# KiCad board Mioke80.kicad_pcb (continued)
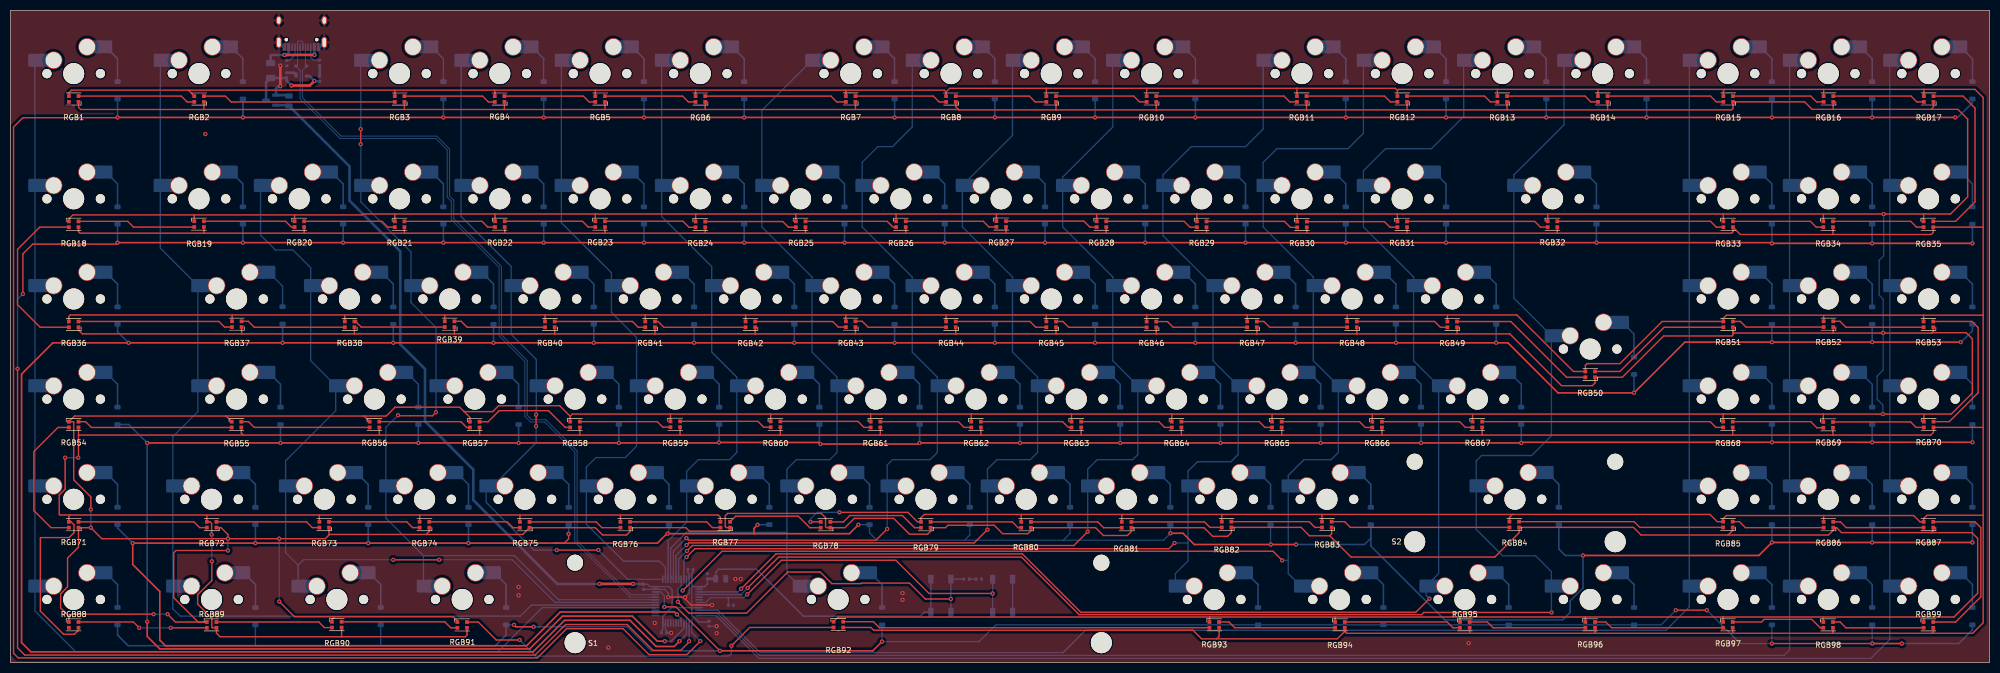
[diagram p0: board, top side]
## Footprints (pads in the part's own frame, mm; a bottom-side part is the same pattern mirrored in y, then rotated)
C_0402_1005Metric
  rrect 0.56x0.62 smd: 1(-0.48,0) 2(0.48,0)
C_0805_2012Metric
  rrect 1x1.45 smd: 1(-0.95,0) 2(0.95,0)
Diode_SOD-123
  rrect 0.9x1.2 smd: 1(-1.65,0) 2(1.65,0)
Fuse_1206_3216Metric
  rrect 1.25x1.75 smd: 1(-1.4,0) 2(1.4,0)
LED_WS2812B-2020_PLCC4_2.0x2.0mm
  rect 0.7x0.7 smd: 1(-0.915,0.55) 2(-0.915,-0.55) 3(0.915,-0.55) 4(0.915,0.55)
LQFP-48_7x7mm_P0.5mm
  rrect 1.475x0.3 smd: 1(-4.162,2.75) 2(-4.162,2.25) 3(-4.162,1.75) 4(-4.162,1.25) 5(-4.162,0.75) 6(-4.162,0.25) 7(-4.162,-0.25) 8(-4.162,-0.75) 9(-4.162,-1.25) 10(-4.162,-1.75) 11(-4.162,-2.25) 12(-4.162,-2.75) 25(4.162,-2.75) 26(4.162,-2.25) 27(4.162,-1.75) 28(4.162,-1.25) 29(4.162,-0.75) 30(4.162,-0.25) 31(4.162,0.25) 32(4.162,0.75) 33(4.162,1.25) 34(4.162,1.75) 35(4.162,2.25) 36(4.162,2.75)
  rrect 0.3x1.475 smd: 13(-2.75,-4.162) 14(-2.25,-4.162) 15(-1.75,-4.162) 16(-1.25,-4.162) 17(-0.75,-4.162) 18(-0.25,-4.162) 19(0.25,-4.162) 20(0.75,-4.162) 21(1.25,-4.162) 22(1.75,-4.162) 23(2.25,-4.162) 24(2.75,-4.162) 37(2.75,4.162) 38(2.25,4.162) 39(1.75,4.162) 40(1.25,4.162) 41(0.75,4.162) 42(0.25,4.162) 43(-0.25,4.162) 44(-0.75,4.162) 45(-1.25,4.162) 46(-1.75,4.162) 47(-2.25,4.162) 48(-2.75,4.162)
R_0402_1005Metric
  rrect 0.54x0.64 smd: 1(-0.51,0) 2(0.51,0)
SOT-23
  rrect 1.475x0.6 smd: 1(-0.938,0.95) 2(-0.938,-0.95) 3(0.938,0)
SOT-143
  rrect 0.7x1 smd: 1(-1,0.75)
  rrect 0.7x0.6 smd: 2(-1,-0.95) 3(1,-0.95) 4(1,0.95)
Stabilizer_MX_3.00u
  round 3.048 hole 3.048 unplated: (-19.05,6.985) (19.05,6.985)
  round 3.988 hole 3.988 unplated: (-19.05,-8.225) (19.05,-8.225)
Stabilizer_MX_6.25u
  round 3.048 hole 3.048 unplated: (-50,6.985) (50,6.985)
  round 3.988 hole 3.988 unplated: (-50,-8.225) (50,-8.225)
SW_MX_HS_1U
  round 1.75 hole 1.75 unplated: (-5.08,0) (5.08,0)
  round 3.988 hole 3.988 unplated: (0,0)
  round 3.3 hole 3: 1(3.81,2.54) 2(-2.54,5.08)
  rect 1.65x2.5 smd: 1(5.635,2.54) 2(-4.34,5.08)
  rrect 2.55x2.5 smd: 1(7.36,2.54) 2(-6.09,5.08)
SW_MX_HS_2.75U
  round 1.75 hole 1.75 unplated: (-5.08,0.015) (5.08,0.015)
  round 3.988 hole 3.988 unplated: (0,0.015)
  round 3.3 hole 3: 1(3.81,2.555) 2(-2.54,5.095)
  rect 1.65x2.5 smd: 1(5.635,2.555) 2(-4.34,5.095)
  rrect 2.55x2.5 smd: 1(7.36,2.555) 2(-6.09,5.095)
SW_MX_HS_CPG151101S11_1.25u
  round 1.75 hole 1.75 unplated: (-5.08,0) (5.08,0)
  round 3.988 hole 3.988 unplated: (0,0)
  round 3.3 hole 3: 1(3.81,2.54) 2(-2.54,5.08)
  rect 1.65x2.5 smd: 1(5.635,2.54) 2(-4.34,5.08)
  rrect 2.55x2.5 smd: 1(7.36,2.54) 2(-6.09,5.08)
SW_MX_HS_CPG151101S11_1.75u
  round 1.75 hole 1.75 unplated: (-5.08,0) (5.08,0)
  round 3.988 hole 3.988 unplated: (0,0)
  round 3.3 hole 3: 1(3.81,2.54) 2(-2.54,5.08)
  rect 1.65x2.5 smd: 1(5.635,2.54) 2(-4.34,5.08)
  rrect 2.55x2.5 smd: 1(7.36,2.54) 2(-6.09,5.08)
SW_MX_HS_CPG151101S11_1u
  round 1.75 hole 1.75 unplated: (-5.08,0) (5.08,0)
  round 3.988 hole 3.988 unplated: (0,0)
  round 3.3 hole 3: 1(3.81,2.54) 2(-2.54,5.08)
  rect 1.65x2.5 smd: 1(5.635,2.54) 2(-4.34,5.08)
  rrect 2.55x2.5 smd: 1(7.36,2.54) 2(-6.09,5.08)
SW_SPST_TL3342
  rect 1.7x1 smd: 1(-3.15,1.9) 1(3.15,1.9) 2(-3.15,-1.9) 2(3.15,-1.9)
USB_C_Receptacle_HRO_TYPE-C-31-M-12
  round 0.65 hole 0.65 unplated: (-2.89,2.6) (2.89,2.6)
  rect 0.6x1.45 smd: A1(-3.25,4.045) A4(-2.45,4.045) A9(2.45,4.045) A12(3.25,4.045) B1(3.25,4.045) B4(2.45,4.045) B9(-2.45,4.045) B12(-3.25,4.045)
  rect 0.3x1.45 smd: A5(-1.25,4.045) A6(-0.25,4.045) A7(0.25,4.045) A8(1.25,4.045) B5(1.75,4.045) B6(0.75,4.045) B7(-0.75,4.045) B8(-1.75,4.045)
  oval 1x1.6 hole 0.6x1.2: S1(-4.32,-1.05) S1(4.32,-1.05)
  oval 1x2.1 hole 0.6x1.7: S1(-4.32,3.13) S1(4.32,3.13)

## Nets
+3V3: BOOT1.1 C2.1 C3.1 C4.1 C5.1 C6.1 C7.1 C10.1 U1.1 U1.9 U1.24 U1.36 U1.48 U3.2
+5V: C8.1 C9.1 F1.2 U2.4 U3.3
GND: C1.2 C2.2 C3.2 C4.2 C5.2 C6.2 C7.2 C8.2 C9.2 C10.2 J1.A1 J1.A12 J1.B1 J1.B12 J1.S1 R1.1 R2.2 R4.2 RST1.2 U1.8 U1.23 U1.35 U1.47 U2.1 U3.1
VBUS: F1.1 J1.A4 J1.A9 J1.B4 J1.B9
BOOT0: BOOT1.2 R3.1 U1.44
COL0: MX1.1 MX18.1 MX36.1 MX54.1 MX71.1 MX88.1 U1.28
COL1: MX2.1 MX19.1 MX37.1 MX55.1 MX72.1 MX89.1 U1.29
COL2: MX20.1 MX38.1 MX56.1 MX73.1 MX90.1 U1.30
COL3: MX3.1 MX21.1 MX39.1 MX57.1 MX74.1 MX91.1 U1.31
COL4: MX4.1 MX22.1 MX40.1 MX58.1 MX75.1 U1.37
COL5: MX5.1 MX23.1 MX41.1 MX59.1 MX76.1 U1.38
COL6: MX6.1 MX24.1 MX42.1 MX60.1 MX77.1 U1.39
COL7: MX7.1 MX25.1 MX43.1 MX61.1 MX78.1 MX92.1 U1.40
COL8: MX8.1 MX26.1 MX44.1 MX62.1 MX79.1 U1.41
COL9: MX9.1 MX27.1 MX45.1 MX63.1 MX80.1 U1.42
COL10: MX10.1 MX28.1 MX46.1 MX64.1 MX81.1 U1.43
COL11: MX11.1 MX29.1 MX47.1 MX65.1 MX82.1 MX93.1 U1.45
COL12: MX12.1 MX30.1 MX48.1 MX66.1 MX83.1 MX94.1 U1.46
COL13: MX13.1 MX31.1 MX49.1 MX67.1 MX95.1 U1.3
COL14: MX14.1 MX32.1 MX50.1 MX84.1 MX96.1 U1.4
COL15: MX15.1 MX33.1 MX51.1 MX68.1 MX85.1 MX97.1 U1.10
COL16: MX16.1 MX34.1 MX52.1 MX69.1 MX86.1 MX98.1 U1.11
COL17: MX17.1 MX35.1 MX53.1 MX70.1 MX87.1 MX99.1 U1.12
D+: J1.A6 J1.B6 U1.33 U2.3
D-: J1.A7 J1.B7 U1.32 U2.2
DATA: RGB1.4
NRST: C1.1 RST1.1 U1.7
ROW0: D1.1 D2.1 D3.1 D4.1 D5.1 D6.1 D7.1 D8.1 D9.1 D10.1 D11.1 D12.1 D13.1 D14.1 D15.1 D16.1 D17.1 U1.13
ROW1: D18.1 D19.1 D20.1 D21.1 D22.1 D23.1 D24.1 D25.1 D26.1 D27.1 D28.1 D29.1 D30.1 D31.1 D32.1 D33.1 D34.1 D35.1 U1.14
ROW2: D36.1 D37.1 D38.1 D39.1 D40.1 D41.1 D42.1 D43.1 D44.1 D45.1 D46.1 D47.1 D48.1 D49.1 D50.1 D51.1 D52.1 D53.1 U1.15
ROW3: D54.1 D55.1 D56.1 D57.1 D58.1 D59.1 D60.1 D61.1 D62.1 D63.1 D64.1 D65.1 D66.1 D67.1 D68.1 D69.1 D70.1 U1.16
ROW4: D71.1 D72.1 D73.1 D74.1 D75.1 D76.1 D77.1 D78.1 D79.1 D80.1 D81.1 D82.1 D83.1 D84.1 D85.1 D86.1 D87.1 U1.17
ROW5: D88.1 D89.1 D90.1 D91.1 D92.1 D93.1 D94.1 D95.1 D96.1 D97.1 D98.1 D99.1 U1.34
Net-(D1-A): D1.2 MX1.2
Net-(D2-A): D2.2 MX2.2
Net-(D3-A): D3.2 MX3.2
Net-(D4-A): D4.2 MX4.2
Net-(D5-A): D5.2 MX5.2
Net-(D6-A): D6.2 MX6.2
Net-(D7-A): D7.2 MX7.2
Net-(D8-A): D8.2 MX8.2
Net-(D9-A): D9.2 MX9.2
Net-(D10-A): D10.2 MX10.2
Net-(D11-A): D11.2 MX11.2
Net-(D12-A): D12.2 MX12.2
Net-(D13-A): D13.2 MX13.2
Net-(D14-A): D14.2 MX14.2
Net-(D15-A): D15.2 MX15.2
Net-(D16-A): D16.2 MX16.2
Net-(D17-A): D17.2 MX17.2
Net-(D18-A): D18.2 MX18.2
Net-(D19-A): D19.2 MX19.2
Net-(D20-A): D20.2 MX20.2
Net-(D21-A): D21.2 MX21.2
Net-(D22-A): D22.2 MX22.2
Net-(D23-A): D23.2 MX23.2
Net-(D24-A): D24.2 MX24.2
Net-(D25-A): D25.2 MX25.2
Net-(D26-A): D26.2 MX26.2
Net-(D27-A): D27.2 MX27.2
Net-(D28-A): D28.2 MX28.2
Net-(D29-A): D29.2 MX29.2
Net-(D30-A): D30.2 MX30.2
Net-(D31-A): D31.2 MX31.2
Net-(D32-A): D32.2 MX32.2
Net-(D33-A): D33.2 MX33.2
Net-(D34-A): D34.2 MX34.2
Net-(D35-A): D35.2 MX35.2
Net-(D36-A): D36.2 MX36.2
Net-(D37-A): D37.2 MX37.2
Net-(D38-A): D38.2 MX38.2
Net-(D39-A): D39.2 MX39.2
Net-(D40-A): D40.2 MX40.2
Net-(D41-A): D41.2 MX41.2
Net-(D42-A): D42.2 MX42.2
Net-(D43-A): D43.2 MX43.2
Net-(D44-A): D44.2 MX44.2
Net-(D45-A): D45.2 MX45.2
Net-(D46-A): D46.2 MX46.2
Net-(D47-A): D47.2 MX47.2
Net-(D48-A): D48.2 MX48.2
Net-(D49-A): D49.2 MX49.2
Net-(D50-A): D50.2 MX50.2
Net-(D51-A): D51.2 MX51.2
Net-(D52-A): D52.2 MX52.2
Net-(D53-A): D53.2 MX53.2
Net-(D54-A): D54.2 MX54.2
Net-(D55-A): D55.2 MX55.2
Net-(D56-A): D56.2 MX56.2
Net-(D57-A): D57.2 MX57.2
Net-(D58-A): D58.2 MX58.2
Net-(D59-A): D59.2 MX59.2
Net-(D60-A): D60.2 MX60.2
Net-(D61-A): D61.2 MX61.2
Net-(D62-A): D62.2 MX62.2
Net-(D63-A): D63.2 MX63.2
Net-(D64-A): D64.2 MX64.2
Net-(D65-A): D65.2 MX65.2
Net-(D66-A): D66.2 MX66.2
Net-(D67-A): D67.2 MX67.2
Net-(D68-A): D68.2 MX68.2
Net-(D69-A): D69.2 MX69.2
Net-(D70-A): D70.2 MX70.2
Net-(D71-A): D71.2 MX71.2
Net-(D72-A): D72.2 MX72.2
Net-(D73-A): D73.2 MX73.2
Net-(D74-A): D74.2 MX74.2
Net-(D75-A): D75.2 MX75.2
Net-(D76-A): D76.2 MX76.2
Net-(D77-A): D77.2 MX77.2
Net-(D78-A): D78.2 MX78.2
Net-(D79-A): D79.2 MX79.2
Net-(D80-A): D80.2 MX80.2
Net-(D81-A): D81.2 MX81.2
Net-(D82-A): D82.2 MX82.2
Net-(D83-A): D83.2 MX83.2
Net-(D84-A): D84.2 MX84.2
Net-(D85-A): D85.2 MX85.2
Net-(D86-A): D86.2 MX86.2
Net-(D87-A): D87.2 MX87.2
Net-(D88-A): D88.2 MX88.2
Net-(D89-A): D89.2 MX89.2
Net-(D90-A): D90.2 MX90.2
Net-(D91-A): D91.2 MX91.2
Net-(D92-A): D92.2 MX92.2
Net-(D93-A): D93.2 MX93.2
Net-(D94-A): D94.2 MX94.2
Net-(D95-A): D95.2 MX95.2
Net-(D96-A): D96.2 MX96.2
Net-(D97-A): D97.2 MX97.2
Net-(D98-A): D98.2 MX98.2
Net-(D99-A): D99.2 MX99.2
Net-(J1-CC1): J1.A5 R1.2
Net-(J1-CC2): J1.B5 R2.1
Net-(R3-Pad2): R3.2 R4.1
Net-(RGB1-DOUT): RGB1.2 RGB2.4
Net-(RGB1-VDD): RGB1.1 RGB2.1 RGB3.1 RGB4.1 RGB5.1 RGB6.1 RGB7.1 RGB8.1 RGB9.1 RGB10.1 RGB11.1 RGB12.1 RGB13.1 RGB14.1 RGB15.1 RGB16.1 RGB17.1 RGB18.1 RGB19.1 RGB20.1 RGB21.1 RGB22.1 RGB23.1 RGB24.1 RGB25.1 RGB26.1 RGB27.1 RGB28.1 RGB29.1 RGB30.1 RGB31.1 RGB32.1 RGB33.1 RGB34.1 RGB35.1 RGB36.1 RGB37.1 RGB38.1 RGB39.1 RGB40.1 RGB41.1 RGB42.1 RGB43.1 RGB44.1 RGB45.1 RGB46.1 RGB47.1 RGB48.1 RGB49.1 RGB50.1 RGB51.1 RGB52.1 RGB53.1 RGB54.1 RGB55.1 RGB56.1 RGB57.1 RGB58.1 RGB59.1 RGB60.1 RGB61.1 RGB62.1 RGB63.1 RGB64.1 RGB65.1 RGB66.1 RGB67.1 RGB68.1 RGB69.1 RGB70.1 RGB71.1 RGB72.1 RGB73.1 RGB74.1 RGB75.1 RGB76.1 RGB77.1 RGB78.1 RGB79.1 RGB80.1 RGB81.1 RGB82.1 RGB83.1 RGB84.1 RGB85.1 RGB86.1 RGB87.1 RGB88.1 RGB89.1 RGB90.1 RGB91.1 RGB92.1 RGB93.1 RGB94.1 RGB95.1 RGB96.1 RGB97.1 RGB98.1 RGB99.1
Net-(RGB1-VSS): RGB1.3 RGB2.3 RGB3.3 RGB4.3 RGB5.3 RGB6.3 RGB7.3 RGB8.3 RGB9.3 RGB10.3 RGB11.3 RGB12.3 RGB13.3 RGB14.3 RGB15.3 RGB16.3 RGB17.3 RGB18.3 RGB19.3 RGB20.3 RGB21.3 RGB22.3 RGB23.3 RGB24.3 RGB25.3 RGB26.3 RGB27.3 RGB28.3 RGB29.3 RGB30.3 RGB31.3 RGB32.3 RGB33.3 RGB34.3 RGB35.3 RGB36.3 RGB37.3 RGB38.3 RGB39.3 RGB40.3 RGB41.3 RGB42.3 RGB43.3 RGB44.3 RGB45.3 RGB46.3 RGB47.3 RGB48.3 RGB49.3 RGB50.3 RGB51.3 RGB52.3 RGB53.3 RGB54.3 RGB55.3 RGB56.3 RGB57.3 RGB58.3 RGB59.3 RGB60.3 RGB61.3 RGB62.3 RGB63.3 RGB64.3 RGB65.3 RGB66.3 RGB67.3 RGB68.3 RGB69.3 RGB70.3 RGB71.3 RGB72.3 RGB73.3 RGB74.3 RGB75.3 RGB76.3 RGB77.3 RGB78.3 RGB79.3 RGB80.3 RGB81.3 RGB82.3 RGB83.3 RGB84.3 RGB85.3 RGB86.3 RGB87.3 RGB88.3 RGB89.3 RGB90.3 RGB91.3 RGB92.3 RGB93.3 RGB94.3 RGB95.3 RGB96.3 RGB97.3 RGB98.3 RGB99.3
Net-(RGB2-DOUT): RGB2.2 RGB3.4
Net-(RGB3-DOUT): RGB3.2 RGB4.4
Net-(RGB4-DOUT): RGB4.2 RGB5.4
Net-(RGB5-DOUT): RGB5.2 RGB6.4
Net-(RGB6-DOUT): RGB6.2 RGB7.4
Net-(RGB7-DOUT): RGB7.2 RGB8.4
Net-(RGB8-DOUT): RGB8.2 RGB9.4
Net-(RGB10-DIN): RGB9.2 RGB10.4
Net-(RGB10-DOUT): RGB10.2 RGB11.4
Net-(RGB11-DOUT): RGB11.2 RGB12.4
Net-(RGB12-DOUT): RGB12.2 RGB13.4
Net-(RGB13-DOUT): RGB13.2 RGB14.4
Net-(RGB14-DOUT): RGB14.2 RGB15.4
Net-(RGB15-DOUT): RGB15.2 RGB16.4
Net-(RGB16-DOUT): RGB16.2 RGB17.4
Net-(RGB17-DOUT): RGB17.2 RGB35.4
Net-(RGB18-DIN): RGB18.4 RGB19.2
Net-(RGB18-DOUT): RGB18.2 RGB36.4
Net-(RGB19-DIN): RGB19.4 RGB20.2
Net-(RGB20-DIN): RGB20.4 RGB21.2
Net-(RGB21-DIN): RGB21.4 RGB22.2
Net-(RGB22-DIN): RGB22.4 RGB23.2
Net-(RGB23-DIN): RGB23.4 RGB24.2
Net-(RGB24-DIN): RGB24.4 RGB25.2
Net-(RGB25-DIN): RGB25.4 RGB26.2
Net-(RGB26-DIN): RGB26.4 RGB27.2
Net-(RGB27-DIN): RGB27.4 RGB28.2
Net-(RGB28-DIN): RGB28.4 RGB29.2
Net-(RGB29-DIN): RGB29.4 RGB30.2
Net-(RGB30-DIN): RGB30.4 RGB31.2
Net-(RGB31-DIN): RGB31.4 RGB32.2
Net-(RGB32-DIN): RGB32.4 RGB33.2
Net-(RGB33-DIN): RGB33.4 RGB34.2
Net-(RGB34-DIN): RGB34.4 RGB35.2
Net-(RGB36-DOUT): RGB36.2 RGB37.4
Net-(RGB37-DOUT): RGB37.2 RGB38.4
Net-(RGB38-DOUT): RGB38.2 RGB39.4
Net-(RGB39-DOUT): RGB39.2 RGB40.4
Net-(RGB40-DOUT): RGB40.2 RGB41.4
Net-(RGB41-DOUT): RGB41.2 RGB42.4
Net-(RGB42-DOUT): RGB42.2 RGB43.4
Net-(RGB43-DOUT): RGB43.2 RGB44.4
Net-(RGB44-DOUT): RGB44.2 RGB45.4
Net-(RGB45-DOUT): RGB45.2 RGB46.4
Net-(RGB46-DOUT): RGB46.2 RGB47.4
Net-(RGB47-DOUT): RGB47.2 RGB48.4
Net-(RGB48-DOUT): RGB48.2 RGB49.4
Net-(RGB49-DOUT): RGB49.2 RGB50.4
Net-(RGB50-DOUT): RGB50.2 RGB51.4
Net-(RGB51-DOUT): RGB51.2 RGB52.4
Net-(RGB52-DOUT): RGB52.2 RGB53.4
Net-(RGB53-DOUT): RGB53.2 RGB70.4
Net-(RGB54-DIN): RGB54.4 RGB55.2
Net-(RGB54-DOUT): RGB54.2 RGB71.4
Net-(RGB55-DIN): RGB55.4 RGB56.2
Net-(RGB56-DIN): RGB56.4 RGB57.2
Net-(RGB57-DIN): RGB57.4 RGB58.2
Net-(RGB58-DIN): RGB58.4 RGB59.2
Net-(RGB59-DIN): RGB59.4 RGB60.2
Net-(RGB60-DIN): RGB60.4 RGB61.2
Net-(RGB61-DIN): RGB61.4 RGB62.2
Net-(RGB62-DIN): RGB62.4 RGB63.2
Net-(RGB63-DIN): RGB63.4 RGB64.2
Net-(RGB64-DIN): RGB64.4 RGB65.2
Net-(RGB65-DIN): RGB65.4 RGB66.2
Net-(RGB66-DIN): RGB66.4 RGB67.2
Net-(RGB67-DIN): RGB67.4 RGB68.2
Net-(RGB68-DIN): RGB68.4 RGB69.2
Net-(RGB69-DIN): RGB69.4 RGB70.2
Net-(RGB71-DOUT): RGB71.2 RGB72.4
Net-(RGB72-DOUT): RGB72.2 RGB73.4
Net-(RGB73-DOUT): RGB73.2 RGB74.4
Net-(RGB74-DOUT): RGB74.2 RGB75.4
Net-(RGB75-DOUT): RGB75.2 RGB76.4
Net-(RGB76-DOUT): RGB76.2 RGB77.4
Net-(RGB77-DOUT): RGB77.2 RGB78.4
Net-(RGB78-DOUT): RGB78.2 RGB79.4
Net-(RGB79-DOUT): RGB79.2 RGB80.4
Net-(RGB80-DOUT): RGB80.2 RGB81.4
Net-(RGB81-DOUT): RGB81.2 RGB82.4
Net-(RGB82-DOUT): RGB82.2 RGB83.4
Net-(RGB83-DOUT): RGB83.2 RGB84.4
Net-(RGB84-DOUT): RGB84.2 RGB85.4
Net-(RGB85-DOUT): RGB85.2 RGB86.4
Net-(RGB86-DOUT): RGB86.2 RGB87.4
Net-(RGB87-DOUT): RGB87.2 RGB99.4
Net-(RGB88-DIN): RGB88.4 RGB89.2
Net-(RGB89-DIN): RGB89.4 RGB90.2
Net-(RGB90-DIN): RGB90.4 RGB91.2
Net-(RGB91-DIN): RGB91.4 RGB92.2
Net-(RGB92-DIN): RGB92.4 RGB93.2
Net-(RGB93-DIN): RGB93.4 RGB94.2
Net-(RGB94-DIN): RGB94.4 RGB95.2
Net-(RGB95-DIN): RGB95.4 RGB96.2
Net-(RGB96-DIN): RGB96.4 RGB97.2
Net-(RGB97-DIN): RGB97.4 RGB98.2
Net-(RGB98-DIN): RGB98.4 RGB99.2

Pads without a net: J1 A8 B8; RGB88 2; U1 2 5 6 18 19 20 21 22 25 26 27

## Via types
v1: diameter 0.8, hole 0.4, Top to Bottom, 176 vias

## Routing (per net, layer and track width the routed paths; a pad name or vN(x,y) marks a point on that pad's centre or on a via; arc(x,y) is an arc through that point)
+3V3: length 222.4
  Top w0.5: v1(111.95,14.95) v1(118.3,14.95)
  Bottom w0.25: 129.44,14.68 U1.48 129.44,16.96 129.68,17.21 C6.1 ; 129.44,14.68 129.69,14.42 U1.1 ; 129.44,14.68 129.44,10.44 ; C5.1 132.56,7.69 130.78,7.69 129.44,9.03 129.44,10.44 ; C4.1 123.68,5.63 123.68,6.08 123.93,6.33 U1.24 123.93,8.32 123.94,8.32 123.94,8.77 125.59,10.42 ; 129.44,10.44 129.45,10.42 ; 129.45,10.42 U1.9 ; 129.45,10.42 125.59,10.42 ; 125.59,10.42 125.69,10.53 125.69,13.83 125.1,14.42 U1.36 121.51,14.42 121.05,14.89 C7.1 ; BOOT1.1 BOOT1.1
  Bottom w0.3: 133.99,15.91 134,15.91 134,17.2 134.55,17.75 141.71,17.75 150.66,8.8 172.86,8.8 173.62,9.56 BOOT1.1 ; C3.1 132.42,14.95 131.9,14.42 U1.1
  Bottom w0.5: C7.1 120.22,14.95 v1(118.3,14.95) ; v1(111.95,14.95) 103.87,14.95 87.95,30.87 87.95,36.66 78.75,45.86 78.75,55.82 74.05,60.51 74.05,78.19 64.4,87.84 64.4,94.37 52.77,106 U3.2 ; C3.1 133.99,15.91
+5V: length 17.1
  Top w0.5: v1(57.73,110.6) 56.86,109.74 v1(53.38,109.74)
  Bottom w0.5: U2.4 56.79,111.54 v1(57.73,110.6) 57.8,110.53 C9.1 ; v1(53.38,109.74) 52.49,110.63 C8.1 52.48,111.19 F1.2 48.56,110.33 U3.3
GND: length 49.2
  Top w0.25: v1(124.95,12.43) 128.13,12.43 v1(128.18,12.38) 128.18,12.08 129.33,10.92 v1(133.28,10.92)
  Top w0.5: v1(51.25,109.59) 51.27,109.61 51.27,113.51 v1(51.25,113.52)
  Bottom w0.25: C5.2 134.14,6.9 v1(134.15,6.89) ; U1.8 v1(133.28,10.92) ; v1(128.18,12.38) 128.94,13.14 U1.47 128.94,16.88 128.69,17.13 128.69,17.66 C6.2 ; v1(125.51,5.62) C4.2 124.65,6.06 124.43,6.27 U1.23 ; v1(124.95,12.43) 124.95,13.22 124.25,13.92 U1.35 120.29,13.92 C7.2 ; RST1.2 RST1.2
  Bottom w0.5: J1.S1 51.88,117.02 J1.A1 ; C9.2 R2.2 ; C8.2 53.84,112.15 U2.1 ; J1.A12 58.69,117.02 J1.S1 ; C10.2 52.73,107.9 U3.1 50.44,109.14 50.89,109.59 v1(51.25,109.59)
  vias: v1(37,100.5) v1(96.53,14.37) v1(96.53,12.78) v1(113.6,2.83) v1(122.4,7.5) v1(134.17,5.57) v1(137.73,15.86) v1(138.75,15.86) v1(169.48,13.19) v1(169.48,11.92) v1(277.05,3.67)
VBUS: length 13.4
  Top w0.5: v1(52.03,115.56) v1(57.74,115.56)
  Bottom w0.5: v1(57.74,115.56) 57.75,115.56 57.75,115.86 57.74,115.87 J1.A9 ; J1.A4 52.84,115.87 52.49,115.53 52.06,115.53 v1(52.03,115.56) 52,115.53 49.57,115.53 49.42,115.38 F1.1
BOOT0: length 71.5
  Top w0.25: v1(178.67,12.08) 173.82,12.08 170.8,15.1 161.71,15.1 161.61,15 156.05,15 153.85,17.2 147.67,17.2 139.85,9.38 128.9,9.38 126.81,11.48 v1(126.81,11.54)
  Bottom w0.25: v1(126.81,11.54) 126.81,13.96 127.43,14.59 U1.44 ; BOOT1.2 BOOT1.2 181.11,15.86 R3.1
COL0: length 229.3
  Bottom w0.25: U1.28 101.02,10.42 92.67,2.07 12.36,2.07 4.64,9.78 MX88.1 MX1.1
COL1: length 202.4
  Bottom w0.25: U1.29 98.98,10.92 96.87,8.81 32.24,8.81 30.83,10.22 MX89.1 MX72.1 30.83,42.94 35.6,47.71 MX55.1 MX37.1 28.45,78.82 MX19.1 MX2.1
COL2: length 160.6
  Top w0.25: v1(72.72,19.53) v1(81.45,19.53)
  Bottom w0.25: U1.30 103.45,11.42 95.34,19.53 v1(81.45,19.53) ; MX20.1 47.5,81.28 50.33,78.45 53.65,78.45 57.03,75.08 MX38.1 57.03,57.39 MX56.1 61.79,47.89 52.27,38.36 MX73.1 52.27,20.9 54.65,18.52 ; v1(72.72,19.53) 55.66,19.53 54.65,18.52 ; MX90.1 54.65,18.52
COL3: length 164.4
  Top w0.25: v1(80.83,47.59) 80.17,46.93 73.72,46.93 v1(73.62,47.03) ; v1(66.53,101.44) v1(66.53,98.56)
  Bottom w0.25: MX3.1 66.55,101.46 v1(66.53,101.44) ; 78.46,20.32 71.31,27.47 MX74.1 71.31,44.72 v1(73.62,47.03) ; 78.46,20.32 MX91.1 ; 78.46,20.32 95.74,20.32 104.14,11.92 U1.31 ; v1(80.83,47.59) 80.84,47.59 MX57.1 80.84,63.71 76.08,68.47 MX39.1 76.08,78.07 66.55,87.6 MX21.1 66.55,98.54 v1(66.53,98.56)
COL4: length 134.3
  Top w0.25: v1(111.69,21.39) 111.67,21.37 v1(103.8,21.37) ; v1(99.86,44.94) v1(99.86,47.12)
  Bottom w0.25: v1(99.86,44.94) 99.86,41.8 91.64,33.58 MX75.1 90.36,30.46 99.45,21.37 v1(103.8,21.37) ; v1(99.86,47.12) 99.89,47.16 MX58.1 99.89,57.63 95.13,62.39 MX40.1 95.13,75.31 85.6,84.83 MX22.1 MX4.1 ; v1(111.69,21.39) 117.24,15.84 U1.37
COL5: length 122
  Bottom w0.25: 104.65,114.54 104.65,83.64 114.18,74.12 MX41.1 114.18,66.58 118.94,61.81 MX59.1 118.94,41.14 116.77,38.98 111.22,38.98 109.42,37.17 MX76.1 109.42,26.32 116.44,19.29 123.25,19.29 124.43,18.11 U1.38
COL6: length 113.5
  Bottom w0.25: U1.39 124.93,23.13 128.48,26.68 128.48,33.56 MX77.1 128.47,36.38 130.67,38.58 136.62,38.58 137.99,39.95 MX60.1 137.99,54.27 133.23,59.04 MX42.1 133.23,75.31 123.7,84.83 123.7,114.54
COL7: length 147.8
  Bottom w0.25: MX92.1 147.52,16.91 147.52,24.75 ; 147.52,24.75 128.43,24.75 125.43,21.76 U1.40 ; 147.52,24.75 MX78.1 147.52,36.77 149.32,38.58 155.67,38.58 157.04,39.95 MX61.1 157.04,54.27 152.28,59.04 MX43.1 152.28,73.32 142.75,82.85 MX25.1 142.75,105.02 MX7.1
COL8: length 156.8
  Top w0.25: v1(166.56,25.39) 164.42,23.25 128.82,23.25 v1(128.42,23.65)
  Bottom w0.25: v1(166.56,25.39) 166.56,25.39 MX79.1 166.56,37.57 167.58,38.58 174.72,38.58 176.09,39.95 MX62.1 176.09,54.27 171.33,59.04 MX44.1 171.33,73.32 161.8,82.85 MX26.1 161.8,95.12 164.8,98.11 167.58,98.11 171.33,101.86 MX8.1 ; U1.41 125.93,21.16 v1(128.42,23.65)
COL9: length 172.5
  Top w0.25: v1(185.62,25.27) 183.1,22.75 128.87,22.75 v1(128.46,22.34)
  Bottom w0.25: v1(128.46,22.34) 126.43,20.31 U1.42 ; v1(185.62,25.27) MX80.1 185.62,36.77 187.42,38.58 193.77,38.58 195.14,39.95 MX63.1 195.14,54.27 190.38,59.04 MX45.1 190.38,73.32 180.85,82.85 MX27.1 190.38,100.25 MX9.1
COL10: length 191.1
  Top w0.25: v1(204.67,24.88) 202.04,22.25 129.55,22.25 v1(128.51,21.21)
  Bottom w0.25: v1(128.51,21.21) 126.93,19.64 U1.43 ; v1(204.67,24.88) MX81.1 204.67,36.77 206.47,38.58 213.22,38.58 214.19,39.55 MX64.1 209.43,57.39 MX46.1 209.43,73.32 199.9,82.85 MX28.1 199.9,92.33 209.43,101.85 MX10.1
COL11: length 229.3
  Top w0.25: v1(128.45,20.06) 130.04,21.65 220.1,21.65 v1(221.17,22.72)
  Bottom w0.25: MX93.1 221.33,16.93 223.72,19.31 223.72,22.72 ; v1(128.45,20.06) 127.93,19.54 U1.45 ; 238,114.54 238,101.47 234.65,98.11 224.33,98.11 218.95,92.73 MX29.1 218.95,81.2 MX47.1 228.48,57.39 MX65.1 233.24,39.55 231.87,38.18 225.52,38.18 223.72,36.38 MX82.1 223.72,22.72 ; 223.72,22.72 v1(221.17,22.72)
COL12: length 251
  Top w0.25: v1(241.62,19.42) 239.88,21.15 135.18,21.15 v1(127.71,13.68)
  Bottom w0.25: MX94.1 242.77,16.91 242.77,19.42 ; 242.77,19.42 v1(241.62,19.42) ; 242.77,19.42 MX83.1 242.77,35.58 245.76,38.58 250.92,38.58 252.29,39.95 MX66.1 247.53,57.39 MX48.1 247.53,73.32 238,82.85 238,95.12 240.6,97.71 254.09,97.71 257.05,100.67 MX12.1 ; v1(127.71,13.68) 128.44,14.41 U1.46
COL13: length 270
  Top w0.25: v1(138.81,14.02) 145.44,20.65 192.25,20.65 203.35,9.55 267,9.55 v1(269.6,12.14)
  Bottom w0.25: U1.3 138.21,13.42 v1(138.81,14.02) ; MX13.1 276.1,103.85 269.97,97.71 261.24,97.71 257.05,93.53 MX31.1 257.05,82.85 266.58,73.32 MX49.1 266.58,57.39 MX67.1 271.34,16.91 MX95.1 268.96,12.78 v1(269.6,12.14)
COL14: length 302.6
  Top w0.25: v1(292.8,9.51) 268.51,9.51 268.1,9.1 203.04,9.1 192.1,20.04 145.93,20.04 v1(140.06,14.17)
  Bottom w0.25: MX14.1 295.15,102.26 285.63,92.73 MX32.1 285.63,69.3 MX50.1 292.77,43.12 289.02,39.37 279.49,39.37 278.48,38.36 MX84.1 278.48,25.3 283.51,20.28 289.77,20.28 292.77,17.28 MX96.1 292.77,9.54 v1(292.8,9.51) ; v1(140.06,14.17) 138.81,12.92 U1.4
COL15: length 299
  Bottom w0.25: MX15.1 MX97.1 318.96,10.56 314.53,6.13 204.24,6.13 200,1.89 142.43,1.89 134.4,9.92 U1.10
COL16: length 323.1
  Bottom w0.25: MX16.1 MX98.1 338.01,2.38 336.99,1.36 142.28,1.36 134.21,9.42 U1.11
COL17: length 341.2
  Bottom w0.25: U1.12 134.05,8.92 142.2,0.77 353.45,0.77 357.06,4.39 MX99.1 MX17.1
D+: length 149.5
  Bottom w0.2: U1.33 121.42,12.92 121.39,12.9 117.87,12.9 107.65,23.12 107.65,40.21 101.68,46.19 98.99,46.19 98.18,46.99 98.18,57.41 93.28,62.31 93.28,75.34 84.21,84.41 84.21,87.91 83.42,88.7 83.42,97.67 80.98,100.11 62.79,100.11 55.47,107.43 55.47,112.62 56.25,113.39 U2.3 56.04,113.65 56.04,115.61 ; J1.B6 56.04,115.61 ; 56.04,115.61 55.33,115.61 55.04,115.9 J1.A6
D-: length 151.2
  Bottom w0.2: J1.A7 55.54,117.99 55.36,118.17 54.7,118.17 54.54,118.01 J1.B7 54.54,113.73 U2.2 54.25,113.39 55.02,112.62 55.02,107.24 62.61,99.66 80.79,99.66 82.97,97.48 82.97,88.51 83.76,87.73 83.76,84.22 92.83,75.15 92.83,62.12 97.73,57.22 97.73,46.81 98.8,45.73 101.49,45.73 107.2,40.02 107.2,22.93 117.69,12.45 121.39,12.45 121.42,12.42 U1.32
NRST: length 69.6
  Top w0.25: v1(139.98,12.95) 139.89,13.03 139.89,13.07 140.1,13.07 146.47,19.44 168.21,19.44 174.53,13.12 v1(186.6,13.12)
  Bottom w0.25: v1(139.98,12.95) 139.33,12.31 136.33,12.31 ; 136.33,12.31 136.39,12.25 C1.1 ; 136.33,12.31 132.98,12.31 132.09,11.42 U1.7 ; RST1.1 RST1.1
ROW0: length 673.7
  Top w0.25: v1(20.33,103.67) 20.29,103.62 2.35,103.62 0.57,101.84 0.57,1.76 1.46,0.88 100.11,0.88 105.66,6.43 116.38,6.43 121.31,1.5 128.51,1.5 v1(131.06,4.05)
  Top w0.3: v1(20.33,103.67) v1(369.5,103.67)
  Bottom w0.25: v1(131.06,4.05) 129.44,5.68 U1.13
  Bottom w0.3: D12.1 272.75,103.73 ; 291.8,103.73 D13.1 ; 101.3,103.73 D4.1 ; v1(334.66,103.67) 334.66,107.11 ; 225.12,103.73 D10.1 ; D5.1 120.35,103.73 ; D7.1 167.97,103.73 ; 310.85,103.73 D14.1 ; 253.7,103.73 D11.1 ; 353.71,107.11 v1(353.71,103.67) ; D2.1 44.15,103.73 44.15,107.01 ; 139.4,103.73 D6.1 ; D9.1 206.07,103.73 ; D1.1 v1(20.33,103.67) ; v1(369.5,103.67) 369.97,103.67 372.76,106.46 372.76,107.11 ; D3.1 82.25,103.73 ; 187.02,103.73 D8.1
  vias: v1(44.15,103.67) v1(82.25,103.67) v1(101.3,103.67) v1(120.35,103.67) v1(139.4,103.67) v1(167.97,103.67) v1(187.02,103.67) v1(206.07,103.67) v1(225.12,103.67) v1(253.7,103.67) v1(272.75,103.67) v1(291.8,103.67) v1(310.85,103.67)
ROW1: length 645.9
  Top w0.25: v1(128.94,4.05) 128.94,3.91 127.33,2.3 122.1,2.3 117.17,7.22 105.46,7.22 99.65,1.41 2.7,1.41 1.33,2.78 v1(1.33,55.87) ; v1(20.33,79.85) 20.05,79.57 4.21,79.57 2.35,77.71 v1(2.35,70.09)
  Top w0.3: 334.51,79.87 v1(334.66,79.72) ; v1(334.66,79.72) v1(372.76,79.72) ; v1(334.66,79.72) 334.52,79.85 v1(301.32,79.85) v1(272.75,79.85) v1(82.25,79.85) v1(63.2,79.85) v1(20.33,79.85)
  Bottom w0.25: U1.14 v1(128.94,4.05) ; v1(2.35,70.09) 1.33,69.07 v1(1.33,55.87)
  Bottom w0.3: v1(177.5,79.85) 177.5,83.3 ; v1(139.4,79.85) 139.4,83.3 ; v1(120.35,79.85) 120.35,83.3 ; v1(158.45,79.85) 158.45,83.3 ; v1(334.66,79.72) 334.66,83.16 ; v1(101.3,79.85) 101.3,83.3 ; v1(272.75,79.85) 272.75,83.3 ; v1(196.55,79.85) 196.55,83.3 ; v1(253.7,79.85) 253.7,83.3 ; 353.71,83.16 v1(353.71,79.72) ; v1(63.2,79.85) 63.2,83.3 ; v1(82.25,79.85) 82.25,83.3 ; 301.32,83.3 v1(301.32,79.85) ; v1(372.76,79.72) 372.76,83.16 ; v1(44.15,79.85) 44.15,83.3 ; v1(215.6,79.85) 215.6,83.3 ; v1(234.65,79.85) 234.65,83.3 ; v1(20.33,79.85) 20.33,83.3
ROW2: length 629.5
  Top w0.3: v1(127.09,4.05) 126.09,3.05 122.65,3.05 117.68,8.02 105.27,8.02 99.26,2.02 3.87,2.02 2.09,3.8 2.09,54.85 8.04,60.79 v1(22.44,60.79) ; v1(370.55,60.93) 318.12,60.93 v1(308.47,51.28) 294.02,51.28 284.5,60.8 v1(282.27,60.8) v1(72.72,60.8) 22.41,60.8
  Bottom w0.25: v1(127.09,4.05) 128.44,5.39 U1.15
  Bottom w0.3: D46.1 v1(225.12,60.8) ; D39.1 v1(91.77,60.8) ; D48.1 v1(263.22,60.8) ; 372.76,64.38 372.76,63.09 370.6,60.93 v1(370.55,60.93) ; D38.1 v1(72.72,60.8) ; D45.1 v1(206.07,60.8) ; v1(334.66,60.93) 334.66,64.38 ; v1(22.44,60.79) 20.33,62.9 D36.1 ; D42.1 v1(148.92,60.8) ; D50.1 v1(308.47,51.28) ; D37.1 v1(51.69,60.8) ; D44.1 v1(187.02,60.8) ; D49.1 v1(282.27,60.8) ; D43.1 v1(167.97,60.8) ; D40.1 v1(110.82,60.8) ; D47.1 v1(244.17,60.8) ; 353.71,64.38 v1(353.71,60.93) ; D41.1 v1(129.87,60.8)
ROW3: length 556.7
  Top w0.3: v1(372.76,41.88) v1(334.66,41.88) 287.16,41.88 v1(287.03,41.75) v1(172.73,41.75) 172.53,41.55 v1(153.89,41.55) 153.59,41.85 v1(134.6,41.85) 134.5,41.75 v1(115.58,41.75) v1(96.53,41.75) v1(77.48,41.75) v1(25.97,41.75) ; v1(124.32,4.05) 122.9,4.05 118.14,8.81 104.87,8.81 98.63,2.58 28.36,2.58 25.97,4.96 v1(25.97,7.76)
  Bottom w0.25: U1.16 127.93,6.48
  Bottom w0.3: v1(25.97,7.76) v1(25.97,41.75) 22.46,45.26 D54.1 ; D62.1 v1(191.78,41.75) ; v1(134.6,41.85) 134.63,41.88 D59.1 ; v1(124.32,4.05) 125.51,4.05 127.93,6.48 ; D63.1 v1(210.83,41.75) ; D67.1 v1(287.03,41.75) ; D64.1 v1(229.88,41.75) ; v1(334.66,41.88) 334.66,45.33 ; D66.1 v1(267.98,41.75) ; D57.1 v1(96.53,41.75) ; v1(153.89,41.55) 153.68,41.75 D60.1 ; 353.71,45.33 v1(353.71,41.88) ; D55.1 v1(51.29,41.75) ; D56.1 v1(77.48,41.75) ; v1(372.76,41.88) 372.76,45.33 ; D58.1 v1(115.58,41.75) ; D65.1 v1(248.93,41.75) ; D61.1 v1(172.73,41.75)
ROW4: length 562.2
  Top w0.25: 103.29,22.69 105.22,22.69 106.03,23.51 v1(106.03,24.47)
  Top w0.3: 141.25,24.5 141.25,25.5 v1(141.95,26.2) ; 141.25,24.5 124.7,24.5 122.9,22.69 101.68,22.69 101.67,22.7 v1(87.01,22.7) v1(23.21,22.7) 23.21,18.64 28.36,13.5 28.36,4.25 29.42,3.19 98.05,3.19 104.47,9.61 126.14,9.61 v1(126.62,9.13) ; 141.25,24.5 159.39,24.5 v1(161.1,26.2) ; v1(244.26,22.44) 224.9,22.44 222.77,24.57 v1(220.38,24.57) ; 372.76,23.1 372.49,22.83 v1(334.66,22.83) 332.18,20.35 v1(298.77,20.35)
  Bottom w0.25: v1(124.83,24.5) 125.11,24.78 D76.1 ; 200.01,23.25 201.31,24.55 D80.1 ; 200.01,23.25 164.6,23.25 163.21,24.65 D78.1 161.11,26.21 v1(161.1,26.2) ; 200.01,23.25 219.06,23.25 v1(220.38,24.57) 220.36,24.6 D81.1 ; v1(126.62,9.13) 127.43,8.32 U1.17 ; v1(239.45,22.45) 239.41,22.49 D82.1 ; v1(106.03,24.47) 106.06,24.5 D75.1 ; 181.27,23.25 182.26,24.25 D79.1
  Bottom w0.3: v1(23.21,22.7) 20.33,25.58 D71.1 ; D72.1 v1(46.53,22.7) ; D77.1 144.15,26.2 v1(141.95,26.2) ; v1(244.26,22.44) 257.26,22.44 258.46,23.64 D83.1 258.46,22.15 272.51,8.1 294.9,8.1 296.33,9.53 296.33,11.7 298.77,14.15 v1(298.77,20.35) 295.4,20.35 294.18,21.57 D84.1 ; D74.1 v1(87.01,22.7) ; v1(372.76,22.83) 372.76,26.28 ; v1(334.66,22.83) 334.66,26.28 ; D73.1 v1(67.96,22.7) ; 353.71,26.28 v1(353.71,22.83)
ROW5: length 404.4
  Top w0.25: v1(124.22,10.58) 126.43,10.58 v1(134.78,2.22) ; v1(316.4,9.95) v1(322.3,9.95) ; v1(353.75,3.6) v1(334.65,3.6)
  Top w0.3: v1(99.38,6.79) 96.02,6.79 v1(95.67,7.15) ; v1(165.57,3.97) 163.82,2.22 v1(134.78,2.22) ; v1(359.35,3.6) v1(353.75,3.6)
  Bottom w0.25: D90.1 70.34,3.21 70.32,3.19 ; D89.1 46.53,3.25 46.59,3.19 ; D97.1 334.66,3.61 v1(334.65,3.6) 328.65,3.6 v1(322.3,9.95) ; v1(353.75,3.6) 353.71,3.64 D98.1 ; v1(316.4,9.95) 313.61,7.16 D96.1 D93.1 187.21,7.16 184.02,3.97 v1(165.57,3.97) D92.1 ; U1.34 123.51,13.42 124.22,12.71 v1(124.22,10.58)
  Bottom w0.3: v1(359.35,3.6) 370.15,3.6 372.76,6.21 D99.1 ; v1(95.67,7.15) 94.17,7.15 D91.1 94.15,5.21 94.13,5.21 92.11,3.19 22.36,3.19 20.33,5.22 D88.1 ; v1(134.78,2.22) 121.78,2.22 117.17,6.83 v1(99.38,6.79)
Net-(D1-A): length 7.5
  Bottom w0.3: MX1.2 20.33,114.84 D1.2
Net-(D2-A): length 7.5
  Bottom w0.3: MX2.2 44.15,114.84 D2.2
Net-(D3-A): length 7.5
  Bottom w0.25: MX3.2 82.25,114.84 D3.2
Net-(D4-A): length 7.5
  Bottom w0.3: MX4.2 101.3,114.84 D4.2
Net-(D5-A): length 7.5
  Bottom w0.3: MX5.2 120.35,114.84 D5.2
Net-(D6-A): length 7.5
  Bottom w0.3: MX6.2 139.4,114.84 D6.2
Net-(D7-A): length 7.5
  Bottom w0.3: MX7.2 167.97,114.84 D7.2
Net-(D8-A): length 7.5
  Bottom w0.3: D8.2 187.02,114.84 MX8.2
Net-(D9-A): length 7.5
  Bottom w0.3: MX9.2 206.07,114.84 D9.2
Net-(D10-A): length 7.5
  Bottom w0.3: D10.2 225.12,114.84 MX10.2
